# KiCad board Soldered Inkplate 4 TEMPERA with glass panel_panel.kicad_pcb (continued)
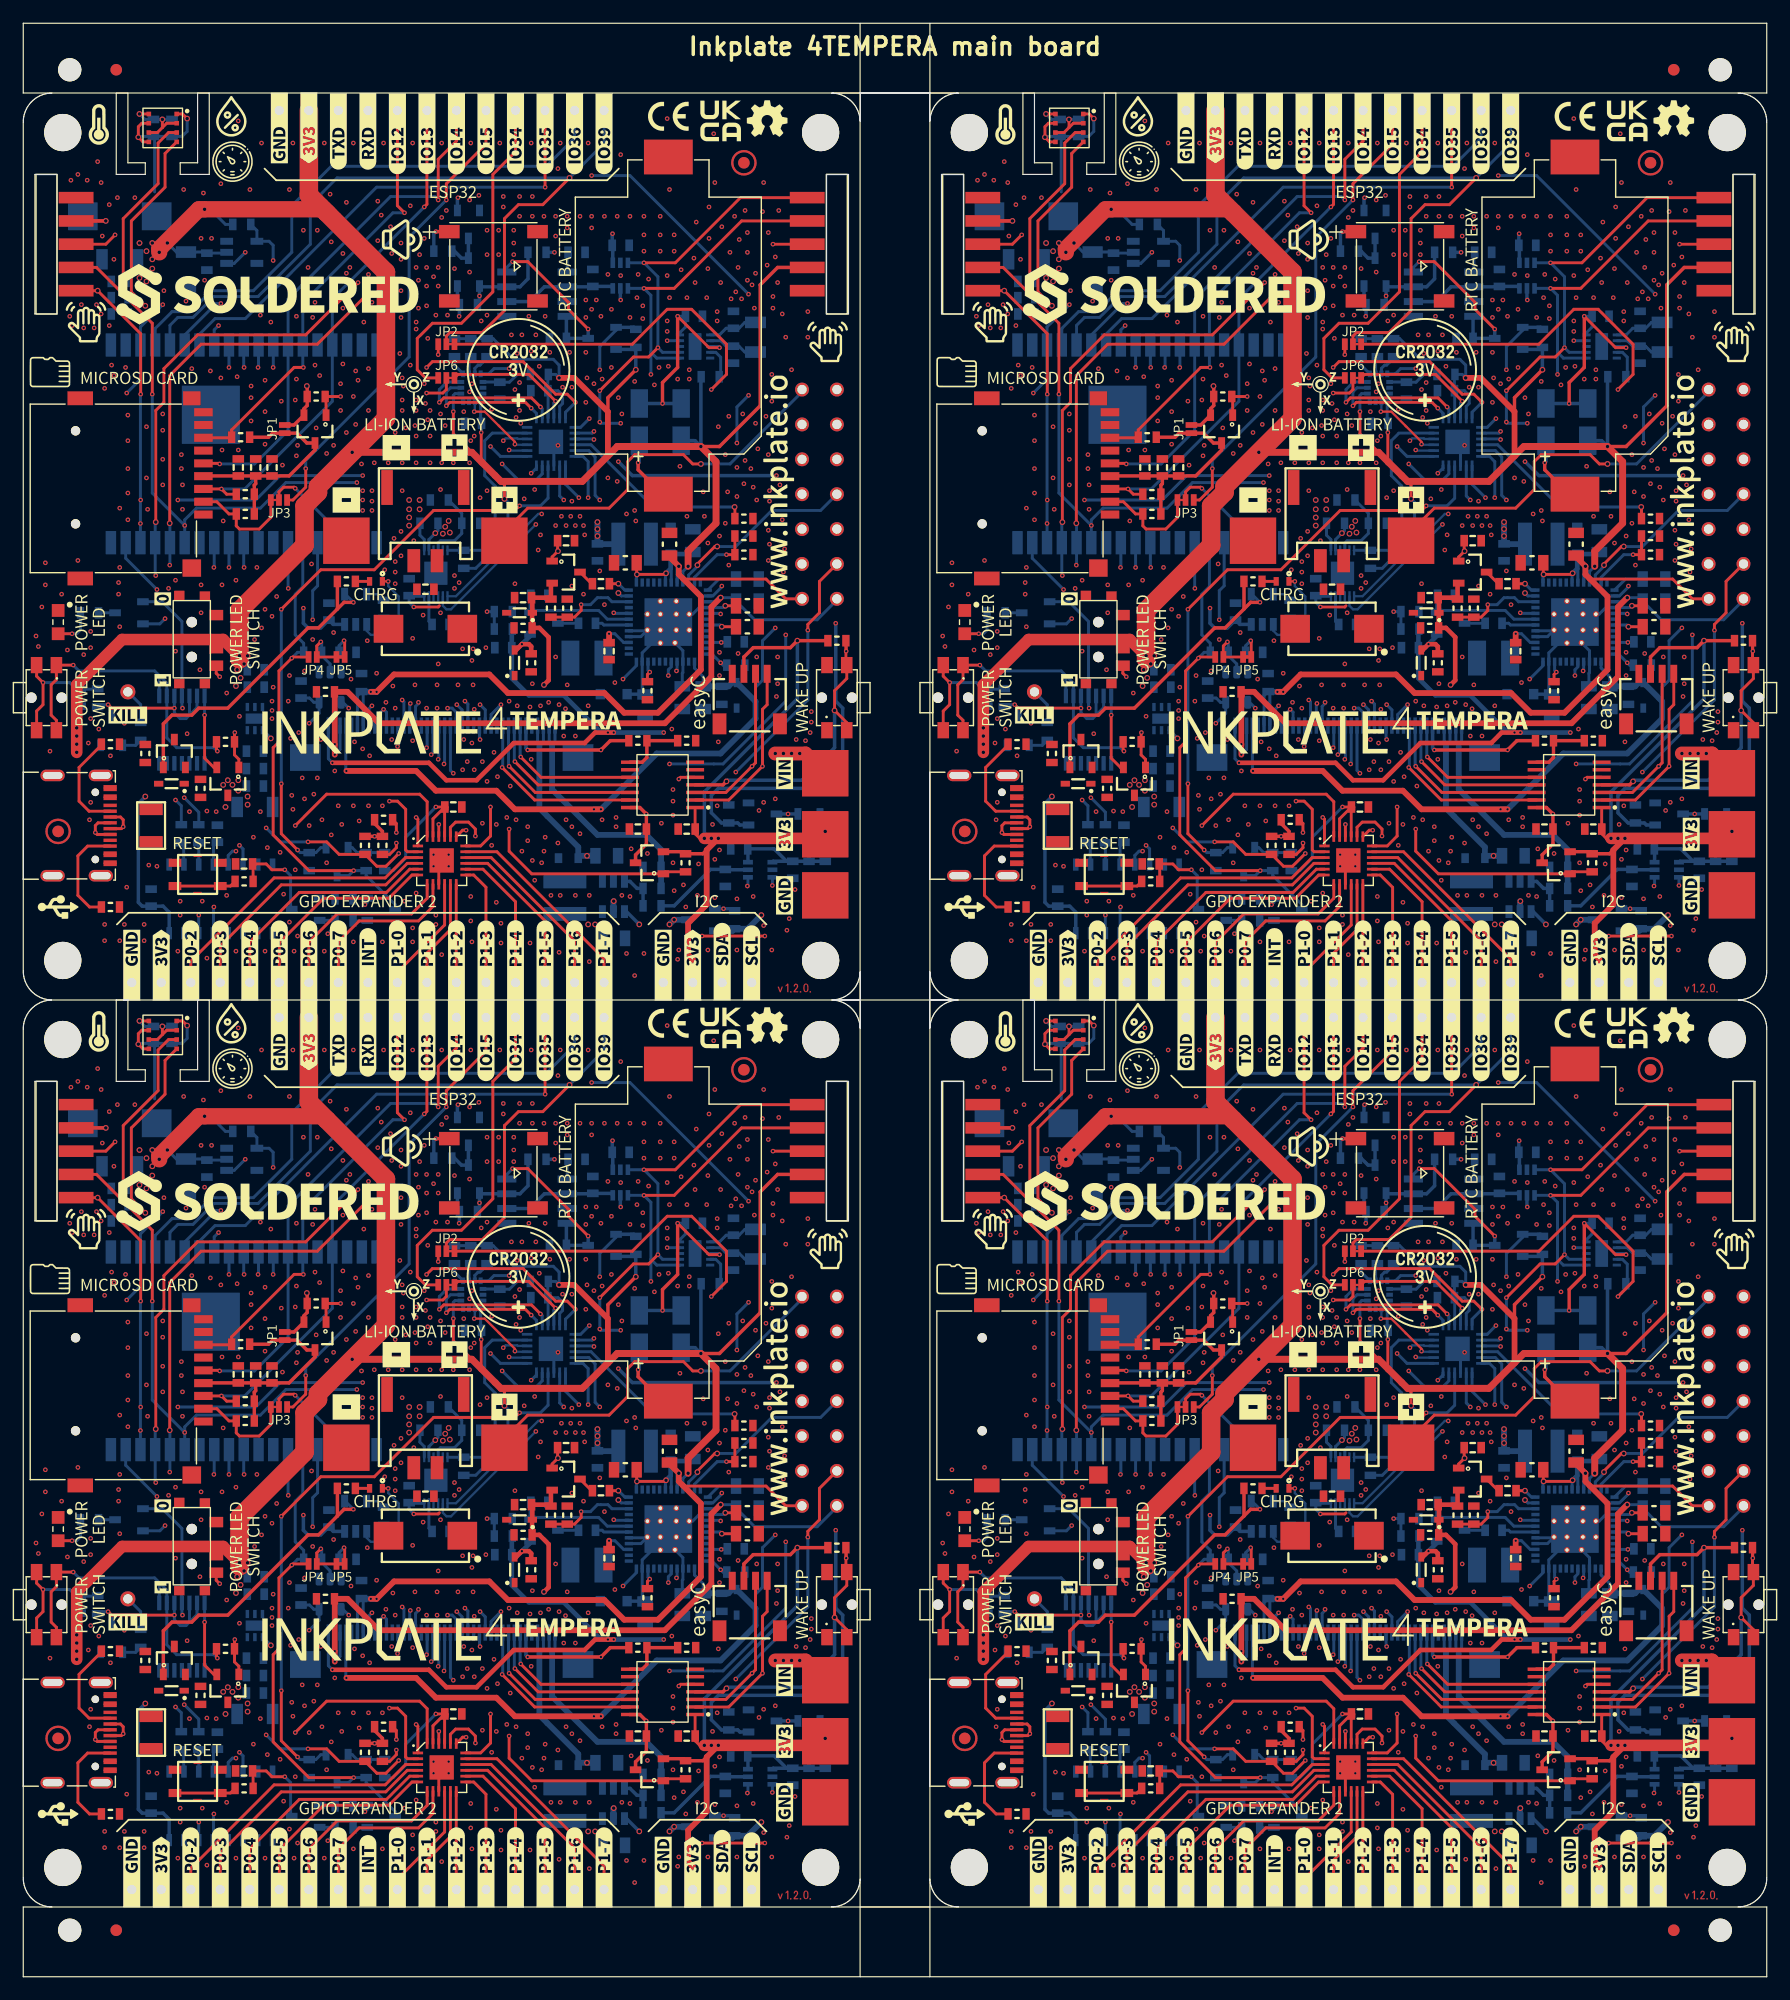
[diagram p0: board, top side]
## Placement (name value [footprint] x y rotation side) (continued)
Q8#4  PMOS  [SOT-23-3]  103.1 133.1 90 top
Q9  PMOS  [SOT-23-3]  67.6 98.8 90 bottom
Q9#2  PMOS  [SOT-23-3]  145.6 20.8 90 bottom
Q9#3  PMOS  [SOT-23-3]  67.6 20.8 90 bottom
Q9#4  PMOS  [SOT-23-3]  145.6 98.8 90 bottom
Q10  NMOS  [SOT-23-3]  63.6 100 180 bottom
Q10#2  NMOS  [SOT-23-3]  141.6 100 180 bottom
Q10#3  NMOS  [SOT-23-3]  141.6 22 180 bottom
Q10#4  NMOS  [SOT-23-3]  63.6 22 180 bottom
Q11  PMOS  [SOT-23-3]  53.88 95.8 0 top
Q11#2  PMOS  [SOT-23-3]  131.88 17.8 0 top
Q11#3  PMOS  [SOT-23-3]  53.88 17.8 0 top
Q11#4  PMOS  [SOT-23-3]  131.88 95.8 0 top
Q12  PMOS  [SOT-23-3]  58.3 90.9 0 bottom
Q12#2  PMOS  [SOT-23-3]  58.3 12.9 0 bottom
Q12#3  PMOS  [SOT-23-3]  136.3 12.9 0 bottom
Q12#4  PMOS  [SOT-23-3]  136.3 90.9 0 bottom
Q13  PMOS  [SOT-23-3]  127.8 140.9 0 bottom
Q13#2  PMOS  [SOT-23-3]  49.8 140.9 0 bottom
Q13#3  PMOS  [SOT-23-3]  127.8 62.9 0 bottom
Q13#4  PMOS  [SOT-23-3]  49.8 62.9 0 bottom
Q14  PMOS  [SOT-23-3]  116.3 68.6 270 bottom
Q14#2  PMOS  [SOT-23-3]  38.3 146.6 270 bottom
Q14#3  PMOS  [SOT-23-3]  38.3 68.6 270 bottom
Q14#4  PMOS  [SOT-23-3]  116.3 146.6 270 bottom
Q15  NMOS  [SOT-23-3]  116.3 150.7 90 bottom
Q15#2  NMOS  [SOT-23-3]  116.3 72.7 90 bottom
Q15#3  NMOS  [SOT-23-3]  38.3 72.7 90 bottom
Q15#4  NMOS  [SOT-23-3]  38.3 150.7 90 bottom
R1  10k  [0603R]  30.9 19.3 90 top
R1#2  10k  [0603R]  30.9 97.3 90 top
R1#3  10k  [0603R]  108.9 97.3 90 top
R1#4  10k  [0603R]  108.9 19.3 90 top
R2  10k  [0603R]  29.4 19.3 90 top
R2#2  10k  [0603R]  107.4 19.3 90 top
R2#3  10k  [0603R]  107.4 97.3 90 top
R2#4  10k  [0603R]  29.4 97.3 90 top
R3  100k  [0603R]  140 125.4 0 top
R3#2  100k  [0603R]  62 125.4 0 top
R3#3  100k  [0603R]  140 47.4 0 top
R3#4  100k  [0603R]  62 47.4 0 top
R4  100k  [0603R]  139.3 34.8 0 bottom
R4#2  100k  [0603R]  61.3 34.8 0 bottom
R4#3  100k  [0603R]  61.3 112.8 0 bottom
R4#4  100k  [0603R]  139.3 112.8 0 bottom
R5  100k  [0603R]  53.7 32.6 270 top
R5#2  100k  [0603R]  131.7 110.6 270 top
R5#3  100k  [0603R]  131.7 32.6 270 top
R5#4  100k  [0603R]  53.7 110.6 270 top
R6  4k7  [0603R]  104 110.5 180 top
R6#2  4k7  [0603R]  104 32.5 180 top
R6#3  4k7  [0603R]  26 32.5 180 top
R6#4  4k7  [0603R]  26 110.5 180 top
R7  4k7  [0603R]  29.1 111.3 90 bottom
R7#2  4k7  [0603R]  107.1 111.3 90 bottom
R7#3  4k7  [0603R]  107.1 33.3 90 bottom
R7#4  4k7  [0603R]  29.1 33.3 90 bottom
R8  4k7  [0603R]  43 38 0 top
R8#2  4k7  [0603R]  121 116 0 top
R8#3  4k7  [0603R]  121 38 0 top
R8#4  4k7  [0603R]  43 116 0 top
R9  4k7  [0603R]  138.1 32.2 90 bottom
R9#2  4k7  [0603R]  60.1 110.2 90 bottom
R9#3  4k7  [0603R]  138.1 110.2 90 bottom
R9#4  4k7  [0603R]  60.1 32.2 90 bottom
R10  4k7  [0603R]  121.7 35 90 top
R10#2  4k7  [0603R]  43.7 113 90 top
R10#3  4k7  [0603R]  43.7 35 90 top
R10#4  4k7  [0603R]  121.7 113 90 top
R11  NTC-NCP18XH103F03RB  [0603R]  62 122.3 180 top
R11#2  NTC-NCP18XH103F03RB  [0603R]  140 44.3 180 top
R11#3  NTC-NCP18XH103F03RB  [0603R]  140 122.3 180 top
R11#4  NTC-NCP18XH103F03RB  [0603R]  62 44.3 180 top
R12  43k-RC0603FR-0743KL  [0603R]  140 45.9 180 top
R12#2  43k-RC0603FR-0743KL  [0603R]  140 123.9 180 top
R12#3  43k-RC0603FR-0743KL  [0603R]  62 123.9 180 top
R12#4  43k-RC0603FR-0743KL  [0603R]  62 45.9 180 top
R13  1M  [0603R]  119.3 37.9 0 bottom
R13#2  1M  [0603R]  119.3 115.9 0 bottom
R13#3  1M  [0603R]  41.3 115.9 0 bottom
R13#4  1M  [0603R]  41.3 37.9 0 bottom
R14  52k3-RC0603FR-0752K3L  [0603R]  41.3 117.4 180 bottom
R14#2  52k3-RC0603FR-0752K3L  [0603R]  41.3 39.4 180 bottom
R14#3  52k3-RC0603FR-0752K3L  [0603R]  119.3 39.4 180 bottom
R14#4  52k3-RC0603FR-0752K3L  [0603R]  119.3 117.4 180 bottom
R15  1M  [0603R]  123.4 117.7 90 top
R15#2  1M  [0603R]  45.4 39.7 90 top
R15#3  1M  [0603R]  123.4 39.7 90 top
R15#4  1M  [0603R]  45.4 117.7 90 top
R16  47k5-RC0603FR-0747K5L  [0603R]  124.8 117.7 270 top
R16#2  47k5-RC0603FR-0747K5L  [0603R]  46.8 117.7 270 top
R16#3  47k5-RC0603FR-0747K5L  [0603R]  46.8 39.7 270 top
R16#4  47k5-RC0603FR-0747K5L  [0603R]  124.8 39.7 270 top
R17  5k1  [0603R]  7.5 14 0 top
R17#2  5k1  [0603R]  85.5 14 0 top
R17#3  5k1  [0603R]  85.5 92 0 top
R17#4  5k1  [0603R]  7.5 92 0 top
R18  5k1  [0603R]  85.5 28 0 top
R18#2  5k1  [0603R]  7.5 106 0 top
R18#3  5k1  [0603R]  85.5 106 0 top
R18#4  5k1  [0603R]  7.5 28 0 top
R19  1k  [0603R]  27.8 120 0 top
R19#2  1k  [0603R]  105.8 120 0 top
R19#3  1k  [0603R]  27.8 42 0 top
R19#4  1k  [0603R]  105.8 42 0 top
R20  DNP  [0603R]  24.6 17.9 90 bottom
R20#2  DNP  [0603R]  102.6 17.9 90 bottom
R20#3  DNP  [0603R]  102.6 95.9 90 bottom
R20#4  DNP  [0603R]  24.6 95.9 90 bottom
R21  1k  [0603R]  109.1 95.9 270 bottom
R21#2  1k  [0603R]  109.1 17.9 270 bottom
R21#3  1k  [0603R]  31.1 95.9 270 bottom
R21#4  1k  [0603R]  31.1 17.9 270 bottom
R22  0R  [0603R]  29.5 17.9 90 bottom
R22#2  0R  [0603R]  29.5 95.9 90 bottom
R22#3  0R  [0603R]  107.5 95.9 90 bottom
R22#4  0R  [0603R]  107.5 17.9 90 bottom
R23  2k49  [0603R]  109 39.6 270 bottom
R23#2  2k49  [0603R]  31 39.6 270 bottom
R23#3  2k49  [0603R]  109 117.6 270 bottom
R23#4  2k49  [0603R]  31 117.6 270 bottom
R24  PA0603FRE570R01L  [0603R]  112.9 125 0 bottom
R24#2  PA0603FRE570R01L  [0603R]  34.9 125 0 bottom
R24#3  PA0603FRE570R01L  [0603R]  34.9 47 0 bottom
R24#4  PA0603FRE570R01L  [0603R]  112.9 47 0 bottom
R25  1M8  [0603R]  35.8 127 0 bottom
R25#2  1M8  [0603R]  113.8 127 0 bottom
R25#3  1M8  [0603R]  113.8 49 0 bottom
R25#4  1M8  [0603R]  35.8 49 0 bottom
R26  DNP  [0603R]  37.9 43.9 90 bottom
R26#2  DNP  [0603R]  37.9 121.9 90 bottom
R26#3  DNP  [0603R]  115.9 121.9 90 bottom
R26#4  DNP  [0603R]  115.9 43.9 90 bottom
R27  47k  [0603R]  18.8 150.7 180 bottom
R27#2  47k  [0603R]  96.8 150.7 180 bottom
R27#3  47k  [0603R]  96.8 72.7 180 bottom
R27#4  47k  [0603R]  18.8 72.7 180 bottom
R28  10k  [0603R]  38.5 47 0 bottom
R28#2  10k  [0603R]  38.5 125 0 bottom
R28#3  10k  [0603R]  116.5 125 0 bottom
R28#4  10k  [0603R]  116.5 47 0 bottom
R29  33k  [0603R]  105.6 92.7 0 bottom
R29#2  33k  [0603R]  27.6 14.7 0 bottom
R29#3  33k  [0603R]  105.6 14.7 0 bottom
R29#4  33k  [0603R]  27.6 92.7 0 bottom
R30  33k  [0603R]  105.6 12.8 180 bottom
R30#2  33k  [0603R]  27.6 12.8 180 bottom
R30#3  33k  [0603R]  105.6 90.8 180 bottom
R30#4  33k  [0603R]  27.6 90.8 180 bottom
R31  1k  [0603R]  5.7 117.3 180 bottom
R31#2  1k  [0603R]  5.7 39.3 180 bottom
R31#3  1k  [0603R]  83.7 117.3 180 bottom
R31#4  1k  [0603R]  83.7 39.3 180 bottom
R32  47R  [0603R]  97 94.2 0 top
R32#2  47R  [0603R]  97 16.2 0 top
R32#3  47R  [0603R]  19 16.2 0 top
R32#4  47R  [0603R]  19 94.2 0 top
R33  1k  [0603R]  10.1 107.1 90 bottom
R33#2  1k  [0603R]  88.1 107.1 90 bottom
R33#3  1k  [0603R]  88.1 29.1 90 bottom
R33#4  1k  [0603R]  10.1 29.1 90 bottom
R34  1k  [0603R]  93.1 98.3 90 bottom
R34#2  1k  [0603R]  93.1 20.3 90 bottom
R34#3  1k  [0603R]  15.1 98.3 90 bottom
R34#4  1k  [0603R]  15.1 20.3 90 bottom
R35  1k  [0603R]  91.6 20.3 90 bottom
R35#2  1k  [0603R]  13.6 98.3 90 bottom
R35#3  1k  [0603R]  13.6 20.3 90 bottom
R35#4  1k  [0603R]  91.6 98.3 90 bottom
R36  100k  [0603R]  17.4 28.2 0 top
R36#2  100k  [0603R]  95.4 28.2 0 top
R36#3  100k  [0603R]  95.4 106.2 0 top
R36#4  100k  [0603R]  17.4 106.2 0 top
R37  100k  [0603R]  84.4 110 270 bottom
R37#2  100k  [0603R]  84.4 32 270 bottom
R37#3  100k  [0603R]  6.4 110 270 bottom
R37#4  100k  [0603R]  6.4 32 270 bottom
R38  100k  [0603R]  88.5 105.2 270 top
R38#2  100k  [0603R]  10.5 105.2 270 top
R38#3  100k  [0603R]  10.5 27.2 270 top
R38#4  100k  [0603R]  88.5 27.2 270 top
R39  100k  [0603R]  103.2 135.9 0 top
R39#2  100k  [0603R]  25.2 57.9 0 top
R39#3  100k  [0603R]  103.2 57.9 0 top
R39#4  100k  [0603R]  25.2 135.9 0 top
R40  10k  [0603R]  137.1 137.6 180 bottom
R40#2  10k  [0603R]  59.1 59.6 180 bottom
R40#3  10k  [0603R]  59.1 137.6 180 bottom
R40#4  10k  [0603R]  137.1 59.6 180 bottom
R41  100k  [0603R]  148 36.9 180 top
R41#2  100k  [0603R]  70 36.9 180 top
R41#3  100k  [0603R]  148 114.9 180 top
R41#4  100k  [0603R]  70 114.9 180 top
R42  100k  [0603R]  97.1 47.8 0 top
R42#2  100k  [0603R]  97.1 125.8 0 top
R42#3  100k  [0603R]  19.1 125.8 0 top
R42#4  100k  [0603R]  19.1 47.8 0 top
R43  100k  [0603R]  19.1 127.5 0 top
R43#2  100k  [0603R]  19.1 49.5 0 top
R43#3  100k  [0603R]  97.1 49.5 0 top
R43#4  100k  [0603R]  97.1 127.5 0 top
R44  100k  [0603R]  96.7 54.4 0 top
R44#2  100k  [0603R]  96.7 132.4 0 top
R44#3  100k  [0603R]  18.7 54.4 0 top
R44#4  100k  [0603R]  18.7 132.4 0 top
R45  330R  [0603R]  24.9 113.9 0 bottom
R45#2  330R  [0603R]  102.9 113.9 0 bottom
R45#3  330R  [0603R]  102.9 35.9 0 bottom
R45#4  330R  [0603R]  24.9 35.9 0 bottom
R46  10k  [0603R]  130.88 28.3 180 top
R46#2  10k  [0603R]  52.88 106.3 180 top
R46#3  10k  [0603R]  52.88 28.3 180 top
R46#4  10k  [0603R]  130.88 106.3 180 top
R47  100k  [0603R]  135.08 28.3 0 top
R47#2  100k  [0603R]  135.08 106.3 0 top
R47#3  100k  [0603R]  57.08 106.3 0 top
R47#4  100k  [0603R]  57.08 28.3 0 top
R48  15R  [0603R]  132.1 17.4 0 bottom
R48#2  15R  [0603R]  132.1 95.4 0 bottom
R48#3  15R  [0603R]  54.1 17.4 0 bottom
R48#4  15R  [0603R]  54.1 95.4 0 bottom
R49  5k1  [0603R]  54.1 93.6 180 bottom
R49#2  5k1  [0603R]  132.1 93.6 180 bottom
R49#3  5k1  [0603R]  54.1 15.6 180 bottom
R49#4  5k1  [0603R]  132.1 15.6 180 bottom
R50  47k  [0603R]  132.1 92.1 0 bottom
R50#2  47k  [0603R]  132.1 14.1 0 bottom
R50#3  47k  [0603R]  54.1 92.1 0 bottom
R50#4  47k  [0603R]  54.1 14.1 0 bottom
R51  100k  [0603R]  60.7 22 270 bottom
R51#2  100k  [0603R]  138.7 100 270 bottom
R51#3  100k  [0603R]  138.7 22 270 bottom
R51#4  100k  [0603R]  60.7 100 270 bottom
R52  100k  [0603R]  56.98 17.8 270 top
R52#2  100k  [0603R]  134.98 95.8 270 top
R52#3  100k  [0603R]  134.98 17.8 270 top
R52#4  100k  [0603R]  56.98 95.8 270 top
R53  100k  [0603R]  61.2 90.9 270 bottom
R53#2  100k  [0603R]  61.2 12.9 270 bottom
R53#3  100k  [0603R]  139.2 90.9 270 bottom
R53#4  100k  [0603R]  139.2 12.9 270 bottom
R54  10k  [0603R]  122.4 137.8 180 bottom
R54#2  10k  [0603R]  44.4 59.8 180 bottom
R54#3  10k  [0603R]  44.4 137.8 180 bottom
R54#4  10k  [0603R]  122.4 59.8 180 bottom
R55  10k  [0603R]  31 99.5 0 top
R55#2  10k  [0603R]  109 21.5 0 top
R55#3  10k  [0603R]  31 21.5 0 top
R55#4  10k  [0603R]  109 99.5 0 top
R56  10k  [0603R]  37.1 140.1 270 bottom
R56#2  10k  [0603R]  37.1 62.1 270 bottom
R56#3  10k  [0603R]  115.1 140.1 270 bottom
R56#4  10k  [0603R]  115.1 62.1 270 bottom
R57  10k  [0603R]  116.5 140.1 270 bottom
R57#2  10k  [0603R]  38.5 62.1 270 bottom
R57#3  10k  [0603R]  116.5 62.1 270 bottom
R57#4  10k  [0603R]  38.5 140.1 270 bottom
R58  10k  [0603R]  117.9 62.1 270 bottom
R58#2  10k  [0603R]  39.9 62.1 270 bottom
R58#3  10k  [0603R]  117.9 140.1 270 bottom
R58#4  10k  [0603R]  39.9 140.1 270 bottom
R59  2k2  [0603R]  44.2 148.3 180 bottom
R59#2  2k2  [0603R]  122.2 148.3 180 bottom
R59#3  2k2  [0603R]  122.2 70.3 180 bottom
R59#4  2k2  [0603R]  44.2 70.3 180 bottom
R60  100k  [0603R]  52.7 140.9 90 bottom
R60#2  100k  [0603R]  130.7 140.9 90 bottom
R60#3  100k  [0603R]  130.7 62.9 90 bottom
R60#4  100k  [0603R]  52.7 62.9 90 bottom
R61  10k  [0603R]  116.3 143.8 180 bottom
R61#2  10k  [0603R]  38.3 65.8 180 bottom
R61#3  10k  [0603R]  116.3 65.8 180 bottom
R61#4  10k  [0603R]  38.3 143.8 180 bottom
R62  22  [0603R]  114.1 70.4 180 bottom
R62#2  22  [0603R]  36.1 70.4 180 bottom
R62#3  22  [0603R]  114.1 148.4 180 bottom
R62#4  22  [0603R]  36.1 148.4 180 bottom
R63  DNP  [0603R]  15.25 102.2 90 top
R63#2  DNP  [0603R]  93.25 24.2 90 top
R63#3  DNP  [0603R]  15.25 24.2 90 top
R63#4  DNP  [0603R]  93.25 102.2 90 top
REF**  -  [Logo-Front-Inkplate-4-TEMPERA]  114 29.2 0 top
REF**#2  -  [Fiducial]  142 164 0 top
REF**#3  -  [Logo-Front-SolderedFULL-26mm]  99 66.7 0 top
REF**#4  -  [Logo-Front-Inkplate-4-TEMPERA]  36 29.2 0 top
REF**#5  -  [Symbol-Front-CR2032]  120.6 60.2 0 top
REF**#6  -  [Logo-Front-CE-3.5mm]  55.5 82 0 top
REF**#7  -  [Fiducial]  8 4 0 top
REF**#8  -  [Logo-Front-UKCA-3.5mm]  60 81.6 0 top
REF**#9  -  [Symbol-Front-Orientation4_4mm]  33 136.2 0 top
REF**#10  -  [Logo-Front-SolderedFULL-26mm]  21 144.7 0 top
REF**#11  -  [Logo-Front-InkplateWebPage-20mm]  65 49.7 90 top
REF**#12  -  [Logo-Front-CE-3.5mm]  133.5 82 0 top
REF**#13  -  [Symbol-Front-CR2032]  42.6 138.2 0 top
REF**#14  -  [Version1.2.0]  144.4 85 0 top
REF**#15  -  [Logo-Front-UKCA-3.5mm]  138 159.6 0 top
REF**#16  -  [Fiducial]  142 4 0 top
REF**#17  -  [Logo-Front-SolderedFULL-26mm]  99 144.7 0 top
REF**#18  -  [Symbol-Front-Orientation4_4mm]  111 136.2 0 top
REF**#19  -  [Logo-Front-Inkplate-4-TEMPERA]  114 107.2 0 top
REF**#20  -  [Logo-Front-UKCA-3.5mm]  60 159.6 0 top
REF**#21  -  [Logo-Front-InkplateWebPage-20mm]  65 127.7 90 top
REF**#22  -  [NPTH]  146 4 0 top
REF**#23  -  [Logo-Front-UKCA-3.5mm]  138 81.6 0 top
REF**#24  -  [Logo-Front-CE-3.5mm]  55.5 160 0 top
REF**#25  -  [Logo-Front-Inkplate-4-TEMPERA]  36 107.2 0 top
REF**#26  -  [Symbol-Front-CR2032]  42.6 60.2 0 top
REF**#27  -  [Symbol-Front-CR2032]  120.6 138.2 0 top
REF**#28  -  [Logo-Front-SolderedFULL-26mm]  21 66.7 0 top
REF**#29  -  [Version1.2.0]  66.4 85 0 top
REF**#30  -  [Fiducial]  8 164 0 top
REF**#31  -  [Version1.2.0]  66.4 7 0 top
REF**#32  -  [Symbol-Front-Orientation4_4mm]  33 58.2 0 top
REF**#33  -  [NPTH]  4 164 0 top
REF**#34  -  [NPTH]  146 164 0 top
REF**#35  -  [Logo-Front-InkplateWebPage-20mm]  143 127.7 90 top
REF**#36  -  [Logo-Front-CE-3.5mm]  133.5 160 0 top
REF**#37  -  [Version1.2.0]  144.4 7 0 top
REF**#38  -  [Symbol-Front-Orientation4_4mm]  111 58.2 0 top
REF**#39  -  [NPTH]  4 4 0 top
REF**#40  -  [Logo-Front-InkplateWebPage-20mm]  143 49.7 90 top
REF**#41  -  [Fiducial]  8 4 0 bottom
REF**#42  -  [Fiducial]  8 164 0 bottom
REF**#43  -  [Fiducial]  142 164 0 bottom
REF**#44  -  [Fiducial]  142 4 0 bottom
S1  -  [SK-3296S-01-L1]  14.5 37 90 top
S1#2  -  [SK-3296S-01-L1]  14.5 115 90 top
S1#3  -  [SK-3296S-01-L1]  92.5 115 90 top
S1#4  -  [SK-3296S-01-L1]  92.5 37 90 top
SW1  -  [YTSA007A0151803B]  15 16.8 0 top
SW1#2  -  [YTSA007A0151803B]  15 94.8 0 top
SW1#3  -  [YTSA007A0151803B]  93 94.8 0 top
SW1#4  -  [YTSA007A0151803B]  93 16.8 0 top
SW2  -  [K2-1114SA-A4SW-06]  2 32 270 top
SW2#2  -  [K2-1114SA-A4SW-06]  80 32 270 top
SW2#3  -  [K2-1114SA-A4SW-06]  80 110 270 top
SW2#4  -  [K2-1114SA-A4SW-06]  2 110 270 top
SW3  -  [K2-1114SA-A4SW-06]  148 110 90 top
SW3#2  -  [K2-1114SA-A4SW-06]  70 110 90 top
SW3#3  -  [K2-1114SA-A4SW-06]  70 32 90 top
SW3#4  -  [K2-1114SA-A4SW-06]  148 32 90 top
U1  TPS65186RGZR  [VQFN-49_V2]  55.5 116.5 180 bottom
U1#2  TPS65186RGZR  [VQFN-49_V2]  55.5 38.5 180 bottom
U1#3  TPS65186RGZR  [VQFN-49_V2]  133.5 38.5 180 bottom
U1#4  TPS65186RGZR  [VQFN-49_V2]  133.5 116.5 180 bottom
U2  MCP73831T  [SOT-23-5]  106.6 117.6 270 bottom
U2#2  MCP73831T  [SOT-23-5]  28.6 39.6 270 bottom
U2#3  MCP73831T  [SOT-23-5]  28.6 117.6 270 bottom
U2#4  MCP73831T  [SOT-23-5]  106.6 39.6 270 bottom
U3  -  [TPS7A2633DRVR]  19.93 30.2 270 bottom
U3#2  -  [TPS7A2633DRVR]  19.93 108.2 270 bottom
U3#3  -  [TPS7A2633DRVR]  97.93 108.2 270 bottom
U3#4  -  [TPS7A2633DRVR]  97.93 30.2 270 bottom
U4  TPS3840PL27DBVR  [SOT-23-5]  96.8 148.3 180 bottom
U4#2  TPS3840PL27DBVR  [SOT-23-5]  18.8 148.3 180 bottom
U4#3  TPS3840PL27DBVR  [SOT-23-5]  96.8 70.3 180 bottom
U4#4  TPS3840PL27DBVR  [SOT-23-5]  18.8 70.3 180 bottom
U5  BQ27441DRZR-G1A  [BQ27441]  113.5 120.7 0 bottom
U5#2  BQ27441DRZR-G1A  [BQ27441]  35.5 120.7 0 bottom
U5#3  BQ27441DRZR-G1A  [BQ27441]  113.5 42.7 0 bottom
U5#4  BQ27441DRZR-G1A  [BQ27441]  35.5 42.7 0 bottom
U6  CH340C  [SOP-16]  17 92.7 270 bottom
U6#2  CH340C  [SOP-16]  17 14.7 270 bottom
U6#3  CH340C  [SOP-16]  95 92.7 270 bottom
U6#4  CH340C  [SOP-16]  95 14.7 270 bottom
U7  MC14093BDTR2G  [TSSOP-14]  13.6 29.3 180 bottom
U7#2  MC14093BDTR2G  [TSSOP-14]  91.6 107.3 180 bottom
U7#3  MC14093BDTR2G  [TSSOP-14]  13.6 107.3 180 bottom
U7#4  MC14093BDTR2G  [TSSOP-14]  91.6 29.3 180 bottom
U8  -  [PCF85063A]  57.8 62.2 180 bottom
U8#2  -  [PCF85063A]  57.8 140.2 180 bottom
U8#3  -  [PCF85063A]  135.8 140.2 180 bottom
U8#4  -  [PCF85063A]  135.8 62.2 180 bottom
U9  MCP47A1  [MCP47A1-SOT23-6]  63.4 95.2 180 bottom
U9#2  MCP47A1  [MCP47A1-SOT23-6]  63.4 17.2 180 bottom
U9#3  MCP47A1  [MCP47A1-SOT23-6]  141.4 17.2 180 bottom
U9#4  MCP47A1  [MCP47A1-SOT23-6]  141.4 95.2 180 bottom
U10  -  [TXS0104EPWR]  55 102.5 180 top
U10#2  -  [TXS0104EPWR]  133 102.5 180 top
U10#3  -  [TXS0104EPWR]  55 24.5 180 top
U10#4  -  [TXS0104EPWR]  133 24.5 180 top
U11  -  [SN74LVC1G34DBV]  104.4 32.9 270 bottom
U11#2  -  [SN74LVC1G34DBV]  26.4 110.9 270 bottom
U11#3  -  [SN74LVC1G34DBV]  104.4 110.9 270 bottom
U11#4  -  [SN74LVC1G34DBV]  26.4 32.9 270 bottom
U12  AP5726WG-7  [SOT26]  50.78 14.9 0 bottom
U12#2  AP5726WG-7  [SOT26]  50.78 92.9 0 bottom
U12#3  AP5726WG-7  [SOT26]  128.78 14.9 0 bottom
U12#4  AP5726WG-7  [SOT26]  128.78 92.9 0 bottom
U13  -  [PCAL6416AHF,128]  45.4 132 180 bottom
U13#2  -  [PCAL6416AHF,128]  45.4 54 180 bottom
U13#3  -  [PCAL6416AHF,128]  123.4 54 180 bottom
U13#4  -  [PCAL6416AHF,128]  123.4 132 180 bottom
U14  -  [ESP32-WROVER]  93.8 135 0 bottom
U14#2  -  [ESP32-WROVER]  15.8 57 0 bottom
U14#3  -  [ESP32-WROVER]  15.8 135 0 bottom
U14#4  -  [ESP32-WROVER]  93.8 57 0 bottom
U15  -  [PCAL6416AHF,128]  114 96 0 top
U15#2  -  [PCAL6416AHF,128]  36 18 0 top
U15#3  -  [PCAL6416AHF,128]  114 18 0 top
U15#4  -  [PCAL6416AHF,128]  36 96 0 top
U16  MCP4017T-103E/LT  [SC70-6]  129.37 68.3 270 bottom
U16#2  MCP4017T-103E/LT  [SC70-6]  51.37 146.3 270 bottom
U16#3  MCP4017T-103E/LT  [SC70-6]  129.37 146.3 270 bottom
U16#4  MCP4017T-103E/LT  [SC70-6]  51.37 68.3 270 bottom
U17  LSM6DS3TR  [LSM6DSO32TR]  38.6 58.65 270 bottom
U17#2  LSM6DS3TR  [LSM6DSO32TR]  116.6 136.65 270 bottom
U17#3  LSM6DS3TR  [LSM6DSO32TR]  38.6 136.65 270 bottom
U17#4  LSM6DS3TR  [LSM6DSO32TR]  116.6 58.65 270 bottom
U18  TLC555CDR  [SOIC−8]  44.2 144.7 90 bottom
U18#2  TLC555CDR  [SOIC−8]  44.2 66.7 90 bottom
U18#3  TLC555CDR  [SOIC−8]  122.2 144.7 90 bottom
U18#4  TLC555CDR  [SOIC−8]  122.2 66.7 90 bottom
U19  -  [BME688]  90 159 0 top
U19#2  -  [BME688]  12 81 0 top
U19#3  -  [BME688]  90 81 0 top
U19#4  -  [BME688]  12 159 0 top
U20  -  [MLT-7525]  40.45 147.1 0 top
U20#2  -  [MLT-7525]  40.45 69.1 0 top
U20#3  -  [MLT-7525]  118.45 147.1 0 top
U20#4  -  [MLT-7525]  118.45 69.1 0 top
X1  7LC32768F12UC  [ABS07AIG-32.768KHZ-7-D-T]  141 63 270 bottom
X1#2  7LC32768F12UC  [ABS07AIG-32.768KHZ-7-D-T]  141 141 270 bottom
X1#3  7LC32768F12UC  [ABS07AIG-32.768KHZ-7-D-T]  63 63 270 bottom
X1#4  7LC32768F12UC  [ABS07AIG-32.768KHZ-7-D-T]  63 141 270 bottom

## Library data of the parts
D8 D8#2-D8#4 = -: Package: 0402

## Footprints (pads in the part's own frame, mm; a bottom-side part is the same pattern mirrored in y, then rotated)
0402LED
  rect 0.45x0.75 smd: 1(0.55,0) 2(-0.55,0)
0603C
  rect 0.66x1 smd: 1(-0.73,0) 2(0.73,0)
0603R
  rect 0.64x1 smd: 1(-0.775,0) 2(0.775,0)
0805C
  rect 0.9x1.35 smd: 1(-0.975,0) 2(0.975,0)
1206C
  rect 1x1.75 smd: 1(-1.525,0) 2(1.525,0)
1206FUSE
  rect 1x2 smd: 1(-1.4,0) 2(1.4,0)
1515L
  rect 1.55x3 smd: 1(-1.425,0) 2(1.425,0)
2917C
  rect 2.55x2.4 smd: 1(-3.175,0) 2(3.175,0)
62684-401100AHLF
  rect 0.3x1.4 smd: 1(-9.75,1.6) 2(-9.25,1.6) 3(-8.75,1.6) 4(-8.25,1.6) 5(-7.75,1.6) 6(-7.25,1.6) 7(-6.75,1.6) 8(-6.25,1.6) 9(-5.75,1.6) 10(-5.25,1.6) 11(-4.75,1.6) 12(-4.25,1.6) 13(-3.75,1.6) 14(-3.25,1.6) 15(-2.75,1.6) 16(-2.25,1.6) 17(-1.75,1.6) 18(-1.25,1.6) 19(-0.75,1.6) 20(-0.25,1.6) 21(0.25,1.6) 22(0.75,1.6) 23(1.25,1.6) 24(1.75,1.6) 25(2.25,1.6) 26(2.75,1.6) 27(3.25,1.6) 28(3.75,1.6) 29(4.25,1.6) 30(4.75,1.6) 31(5.25,1.6) 32(5.75,1.6) 33(6.25,1.6) 34(6.75,1.6) 35(7.25,1.6) 36(7.75,1.6) 37(8.25,1.6) 38(8.75,1.6) 39(9.25,1.6) 40(9.75,1.6)
  rect 2.65x2.3 smd: 41(-11.725,-1.15) 41(11.725,-1.15)
ABS07AIG-32.768KHZ-7-D-T
  rect 1x1.8 smd: 1(-1.275,0) 2(1.275,0)
APDS_connector
  rect 3x1 smd: 1(-2.55,4) 2(-2.55,2) 3(-2.55,0) 4(-2.55,-2) 5(-2.55,-4)
BME688
  rect 0.4x0.4 smd: 1(1.2,1.2) 2(1.2,0.4) 3(1.2,-0.4) 4(1.2,-1.2) 5(-1.2,-1.2) 6(-1.2,-0.4) 7(-1.2,0.4) 8(-1.2,1.2)
BQ27441
  rect 2x2 smd: (0,0)
  rect 0.2x0.85 smd: 1(1,1.975) 2(0.6,1.975) 3(0.2,1.975) 4(-0.2,1.975) 5(-0.6,1.975) 6(-1,1.98) 7(-1,-1.975) 8(-0.6,-1.975) 9(-0.2,-1.975) 10(0.2,-1.975) 11(0.6,-1.975) 12(1,-1.975)
CR2032-BS-6-1
  rect 3x4.2 smd: +(14.5,0) -(-14.5,0)
easyC-connector
  rect 0.6x1.55 smd: 1(-1.5,-2.15) 2(-0.5,-2.15) 3(0.5,-2.15) 4(1.5,-2.15)
  rect 1.2x1.8 smd: 5(-2.6,2.15) 5(2.6,2.15)
ESP32-WROVER
  rect 0.9x2 smd: 1(-8.26,-5.33) 2(-6.99,-5.33) 3(-5.72,-5.33) 4(-4.45,-5.33) 5(-3.18,-5.33) 6(-1.91,-5.33) 7(-0.64,-5.33) 8(0.63,-5.33) 9(1.9,-5.33) 10(3.17,-5.33) 11(4.44,-5.33) 12(5.71,-5.33) 13(6.98,-5.33) 14(8.25,-5.33) 15(9.52,-5.33) 16(10.79,-5.33) 17(12.06,-5.33) 18(13.33,-5.33) 19(14.6,-5.33) 20(14.6,11.67) 21(13.33,11.67) 22(12.06,11.67) 23(10.79,11.67) 24(9.52,11.67) 25(8.25,11.67) 26(6.98,11.67) 27(5.71,11.67) 28(4.44,11.67) 29(3.17,11.67) 30(1.9,11.67) 31(0.63,11.67) 32(-0.64,11.67) 33(-1.91,11.67) 34(-3.18,11.67) 35(-4.45,11.67) 36(-5.72,11.67) 37(-6.99,11.67) 38(-8.26,11.67)
  rect 5x5 smd: 39(0.34,0.67)
Fiducial
  round 1 smd: (0,0)
FIDUCIAL_23
  round 1 smd: 1(0,0)
HEADER_MALE_1X1_Inkplate
  round 1.3 hole 0.8: 1(0,0)
HOLE_3.2mm
  round 3.2 hole 3.2 unplated: (0,0)
HYC77-TF09-200
  round 0.8 hole 1 unplated: (-4.95,-5.5) (3.05,-5.5)
  rect 0.7x1.6 smd: 1(2.25,5.5) 2(1.15,5.5) 3(0.05,5.5) 4(-1.05,5.5) 5(-2.15,5.5) 6(-3.25,5.5) 7(-4.35,5.5) 8(-5.45,5.5) CD(-6.55,5.5)
  rect 1.2x2.2 smd: 12(7.75,-5.1) MNT(-7.75,-5.1)
  rect 1.2x1.5 smd: MNT(-7.75,4.5)
  rect 1.5x1.6 smd: MNT(6.85,4.5)
INKPLATE TEST HEADER
  round 1.2 hole 0.8: 1(-1.5,9) 2(-1.5,6) 3(-1.5,3) 4(-1.5,0) 5(-1.5,-3) 6(-1.5,-6) 7(-1.5,-9) 8(1.5,-9) 9(1.5,-6) 10(1.5,-3) 11(1.5,0) 12(1.5,3) 13(1.5,6) 14(1.5,9)
JST-2pin-SMD
  rect 1x3 smd: (-3.3,3.15) (3.3,3.15)
  rect 1.1x2 smd: 1(1,-3.15) 2(-1,-3.15)
K2-1114SA-A4SW-06
  round 0.9 hole 0.9 unplated: (0,1.3) (0,-1.3)
  rect 1.4x1 smd: 1(-2.8,0.85) 1(2.8,0.85) 2(-2.8,-0.85) 2(2.8,-0.85)
LSM6DSO32TR
  rect 0.575x0.35 smd: 1(-1.2,0.75) 2(-1.2,0.25) 3(-1.2,-0.25) 4(-1.2,-0.75) 8(1.2,-0.75) 9(1.2,-0.25) 10(1.2,0.25) 11(1.2,0.75)
  rect 0.35x0.575 smd: 5(-0.5,-0.95) 6(0,-0.95) 7(0.5,-0.95) 12(0.5,0.95) 13(0,0.95) 14(-0.5,0.95)
LTST-S270GKT
  rect 1.1x1.1 smd: 1(-1,0) 2(1,0)
M4_DIODA
  rect 2.45x1.5 smd: 1(-1.6,0) 2(1.6,0)
MCP47A1-SOT23-6
  rect 0.85x0.4 smd: 1(-1.05,0.65) 2(-1.05,0) 3(-1.05,-0.65) 4(1.05,-0.65) 5(1.05,0) 6(1.05,0.65)
MLT-7525
  rect 1.78x1.15 smd: 1(-3.795,2.98) 2(-3.795,-2.98) 3(3.795,2.98) 4(3.795,-2.98)
NPTH
  round 2 hole 2 unplated: (0,0)
NR4012
  rect 1.2x3.7 smd: 1(-1.4,0) 2(1.4,0)
PAD_4x4
  rect 4x4 smd: 1(0,0)
PCAL6416AHF,128
  rect 0.9x0.24 smd: 1(-2.05,1.25) 2(-2.05,0.75) 3(-2.05,0.25) 4(-2.05,-0.25) 5(-2.05,-0.75) 6(-2.05,-1.25) 13(2.05,-1.25) 14(2.05,-0.75) 15(2.05,-0.25) 16(2.05,0.25) 17(2.05,0.75) 18(2.05,1.25)
  rect 0.24x0.9 smd: 7(-1.25,-2.05) 8(-0.75,-2.05) 9(-0.25,-2.05) 10(0.25,-2.05) 11(0.75,-2.05) 12(1.25,-2.05) 19(1.25,2.05) 20(0.75,2.05) 21(0.25,2.05) 22(-0.25,2.05) 23(-0.75,2.05) 24(-1.25,2.05)
  rect 2.1x2.1 smd: 25(0,0)
PCF85063A
  rect 1.1x2.3 smd: (0,0)
  rect 0.7x0.25 smd: 1(-1.3,1) 2(-1.3,0.5) 3(-1.3,0) 4(-1.3,-0.5) 5(-1.3,-1) 6(1.3,-1) 7(1.3,-0.5) 8(1.3,0) 9(1.3,0.5) 10(1.3,1)
SC70-6
  rect 0.9x0.4 smd: 1(-1.1,0.65) 2(-1.1,0) 3(-1.1,-0.65) 4(1.1,-0.65) 5(1.1,0) 6(1.1,0.65)
SK-3296S-01-L1
  rect 0.9x1.2 smd: 1(2.1,-2.1) 2(-0.75,-2.1) 3(-2.25,-2.1)
  round 0.9 hole 0.9: MH1(-1.5,0) MH2(1.5,0)
  rect 0.8x0.9 smd: MP1(-3.8,-1.125) MP2(3.75,-1.125) MP3(3.8,1.075) MP4(-3.8,1.075)
SMD-JUMPER-CONNECTED_TRACE_SOLDERMASK
  rect 0.5x1 smd: 1(-0.35,0) 2(0.35,0)
SMD_JUMPER
  rect 0.5x1 smd: 1(-0.35,0) 2(0.35,0)
SMD_JUMPER_3_PAD_CONNECTED_LEFT_TRACE
  rect 0.5x1 smd: 1(-0.7,0) 3(0.7,0)
  custom 0.5x1 smd: 2(0,0)
SMD_JUMPER_3_PAD_CONNECTED_RIGHT_TRACE
  rect 0.5x1 smd: 1(-0.7,0) 3(0.7,0)
  custom 0.5x1 smd: 2(0,0)
SN74LVC1G34DBV
  rrect 1.1x0.6 smd: 1(-1.3,0.95) 2(-1.3,0) 3(-1.3,-0.95) 4(1.3,-0.95) 5(1.3,0.95)
SOD-323
  rect 0.8x0.5 smd: 1(1.1,0) 2(-1.1,0)
SOD-323-2
  rect 0.8x0.9 smd: 1(-1.15,0) 2(1.15,0)
SOD-523
  rect 0.85x0.65 smd: 1(0,-0.85) 2(0,0.85)
SOIC−8
  rect 0.6x1.65 smd: 1(-1.905,-2.6) 2(-0.635,-2.6) 3(0.635,-2.6) 4(1.905,-2.6) 5(1.905,2.6) 6(0.635,2.6) 7(-0.635,2.6) 8(-1.905,2.6)
SOP-16
  rect 1.05x0.48 smd: 1(-2.95,4.445) 2(-2.95,3.175) 3(-2.95,1.905) 4(-2.95,0.635) 5(-2.95,-0.635) 6(-2.95,-1.905) 7(-2.95,-3.175) 8(-2.95,-4.445) 9(2.95,-4.445) 10(2.95,-3.175) 11(2.95,-1.905) 12(2.95,-0.635) 13(2.95,0.635) 14(2.95,1.905) 15(2.95,3.175) 16(2.95,4.445)
SOT26
  rect 0.6x1.1 smd: 1(-0.95,-1.3) 2(0,-1.3) 3(0.95,-1.3) 4(0.95,1.3) 5(0,1.3) 6(-0.95,1.3)